# Altium PCB roach2.PcbDoc (part 1 of 39)
Units mil, origin at the board's own origin, x right, y up, seen from the top; angles counter-clockwise.
Board outline 12007.87 x 9606.3 mil, 16 copper layers (L1_TOP, L2_G, L3_S, L4_G, L5_S, L6_P, L7_G, L8_R, L9_R, L10_P, L11_P, L12_S, L13_P, L14_S, L15_G, L16_BOT), stack 81.651 mil thick; 1608 components, 1934 nets, 9335 pads, 6759 vias.
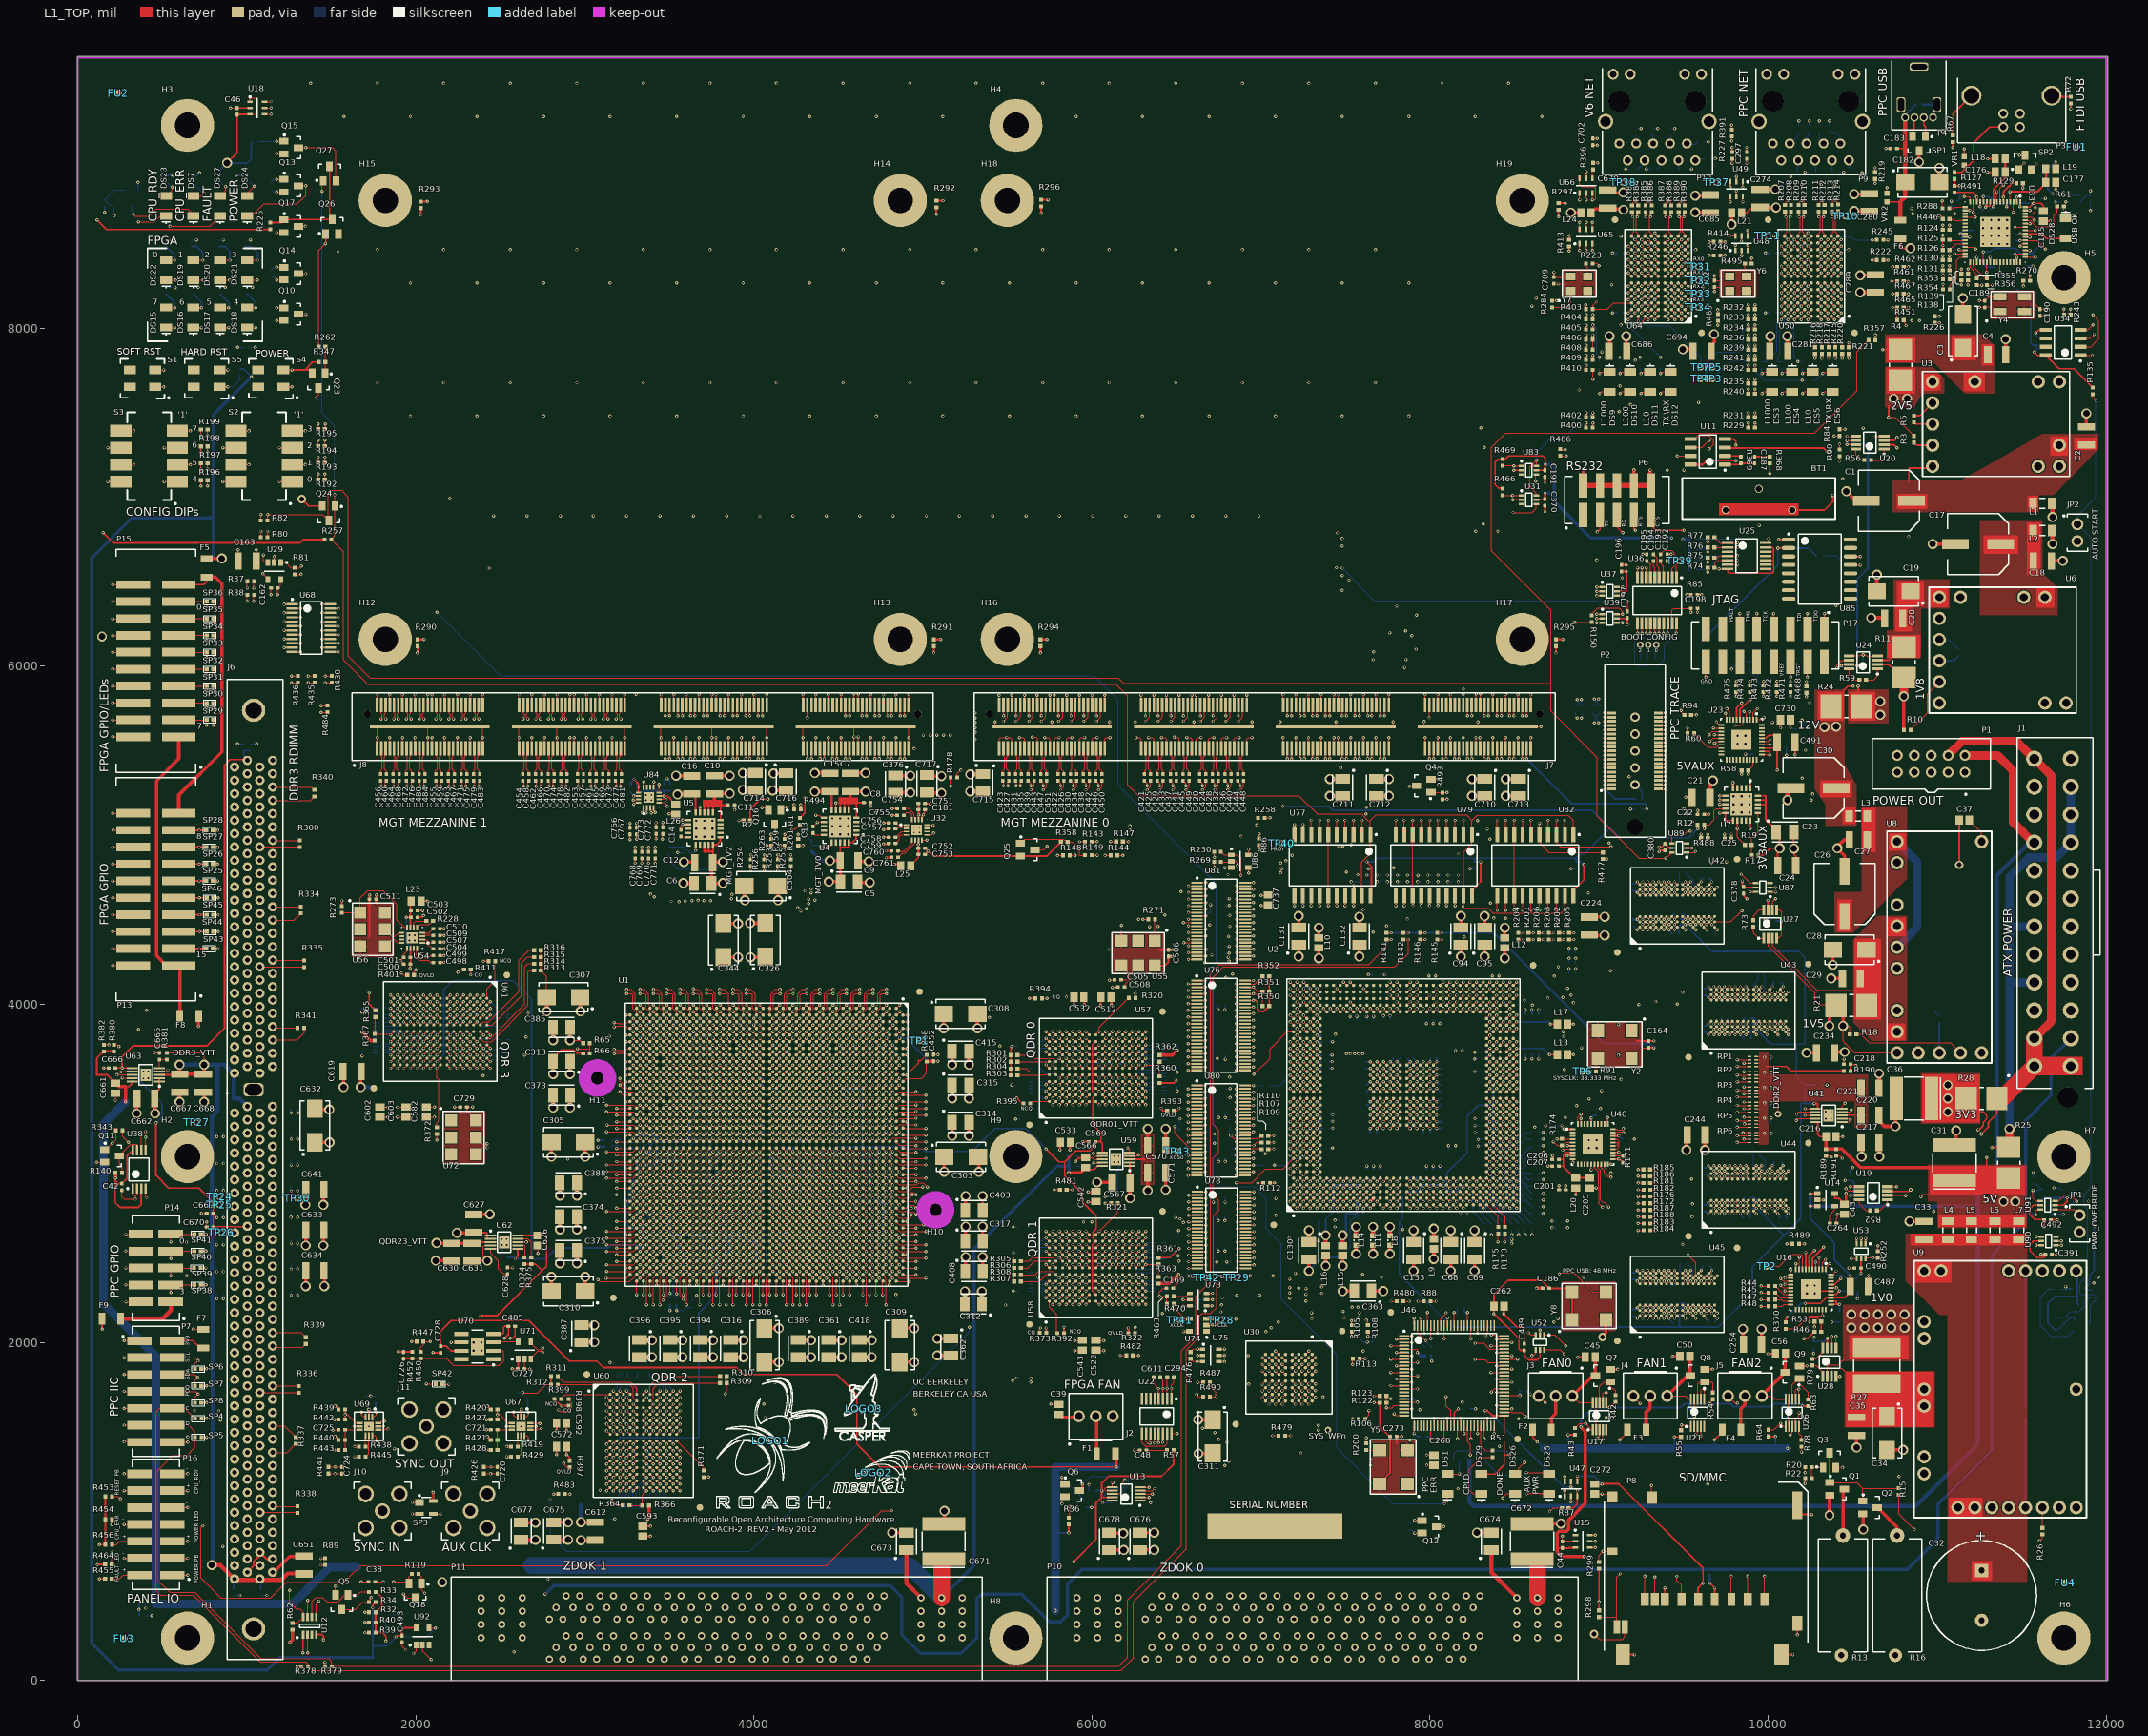
[diagram p0: L1_TOP view]
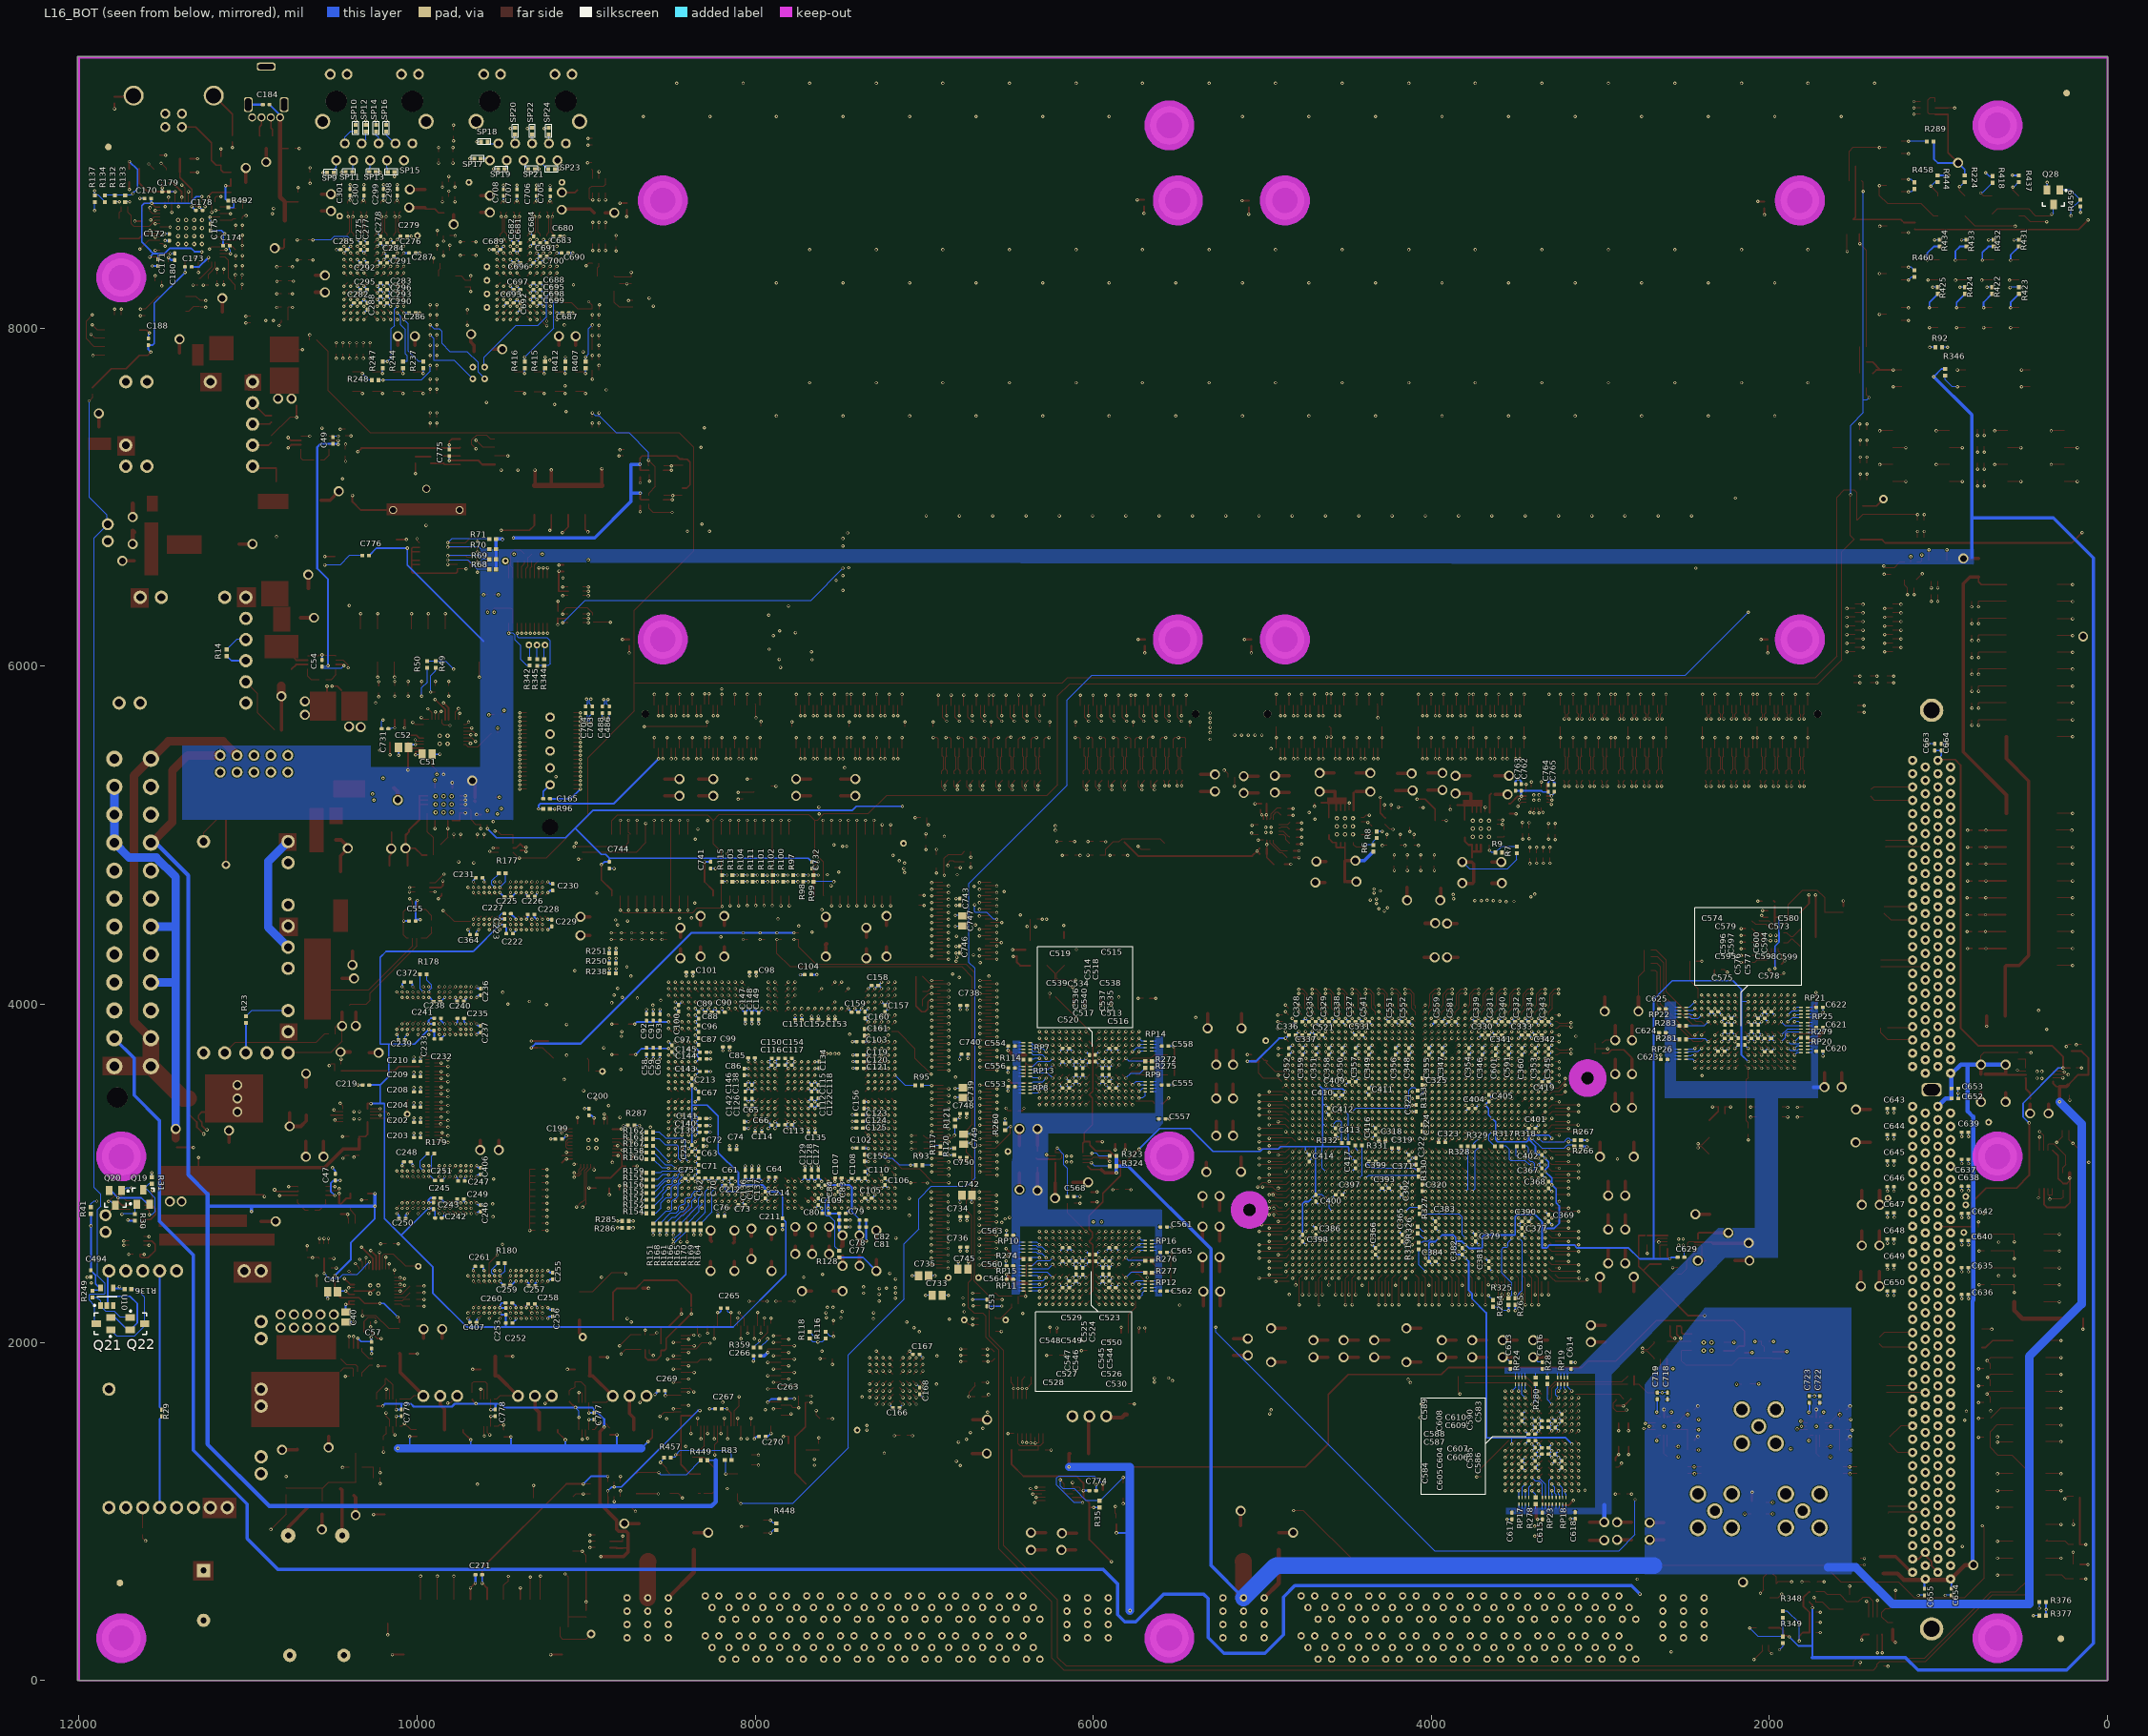
[diagram p1: L16_BOT view, seen from below]
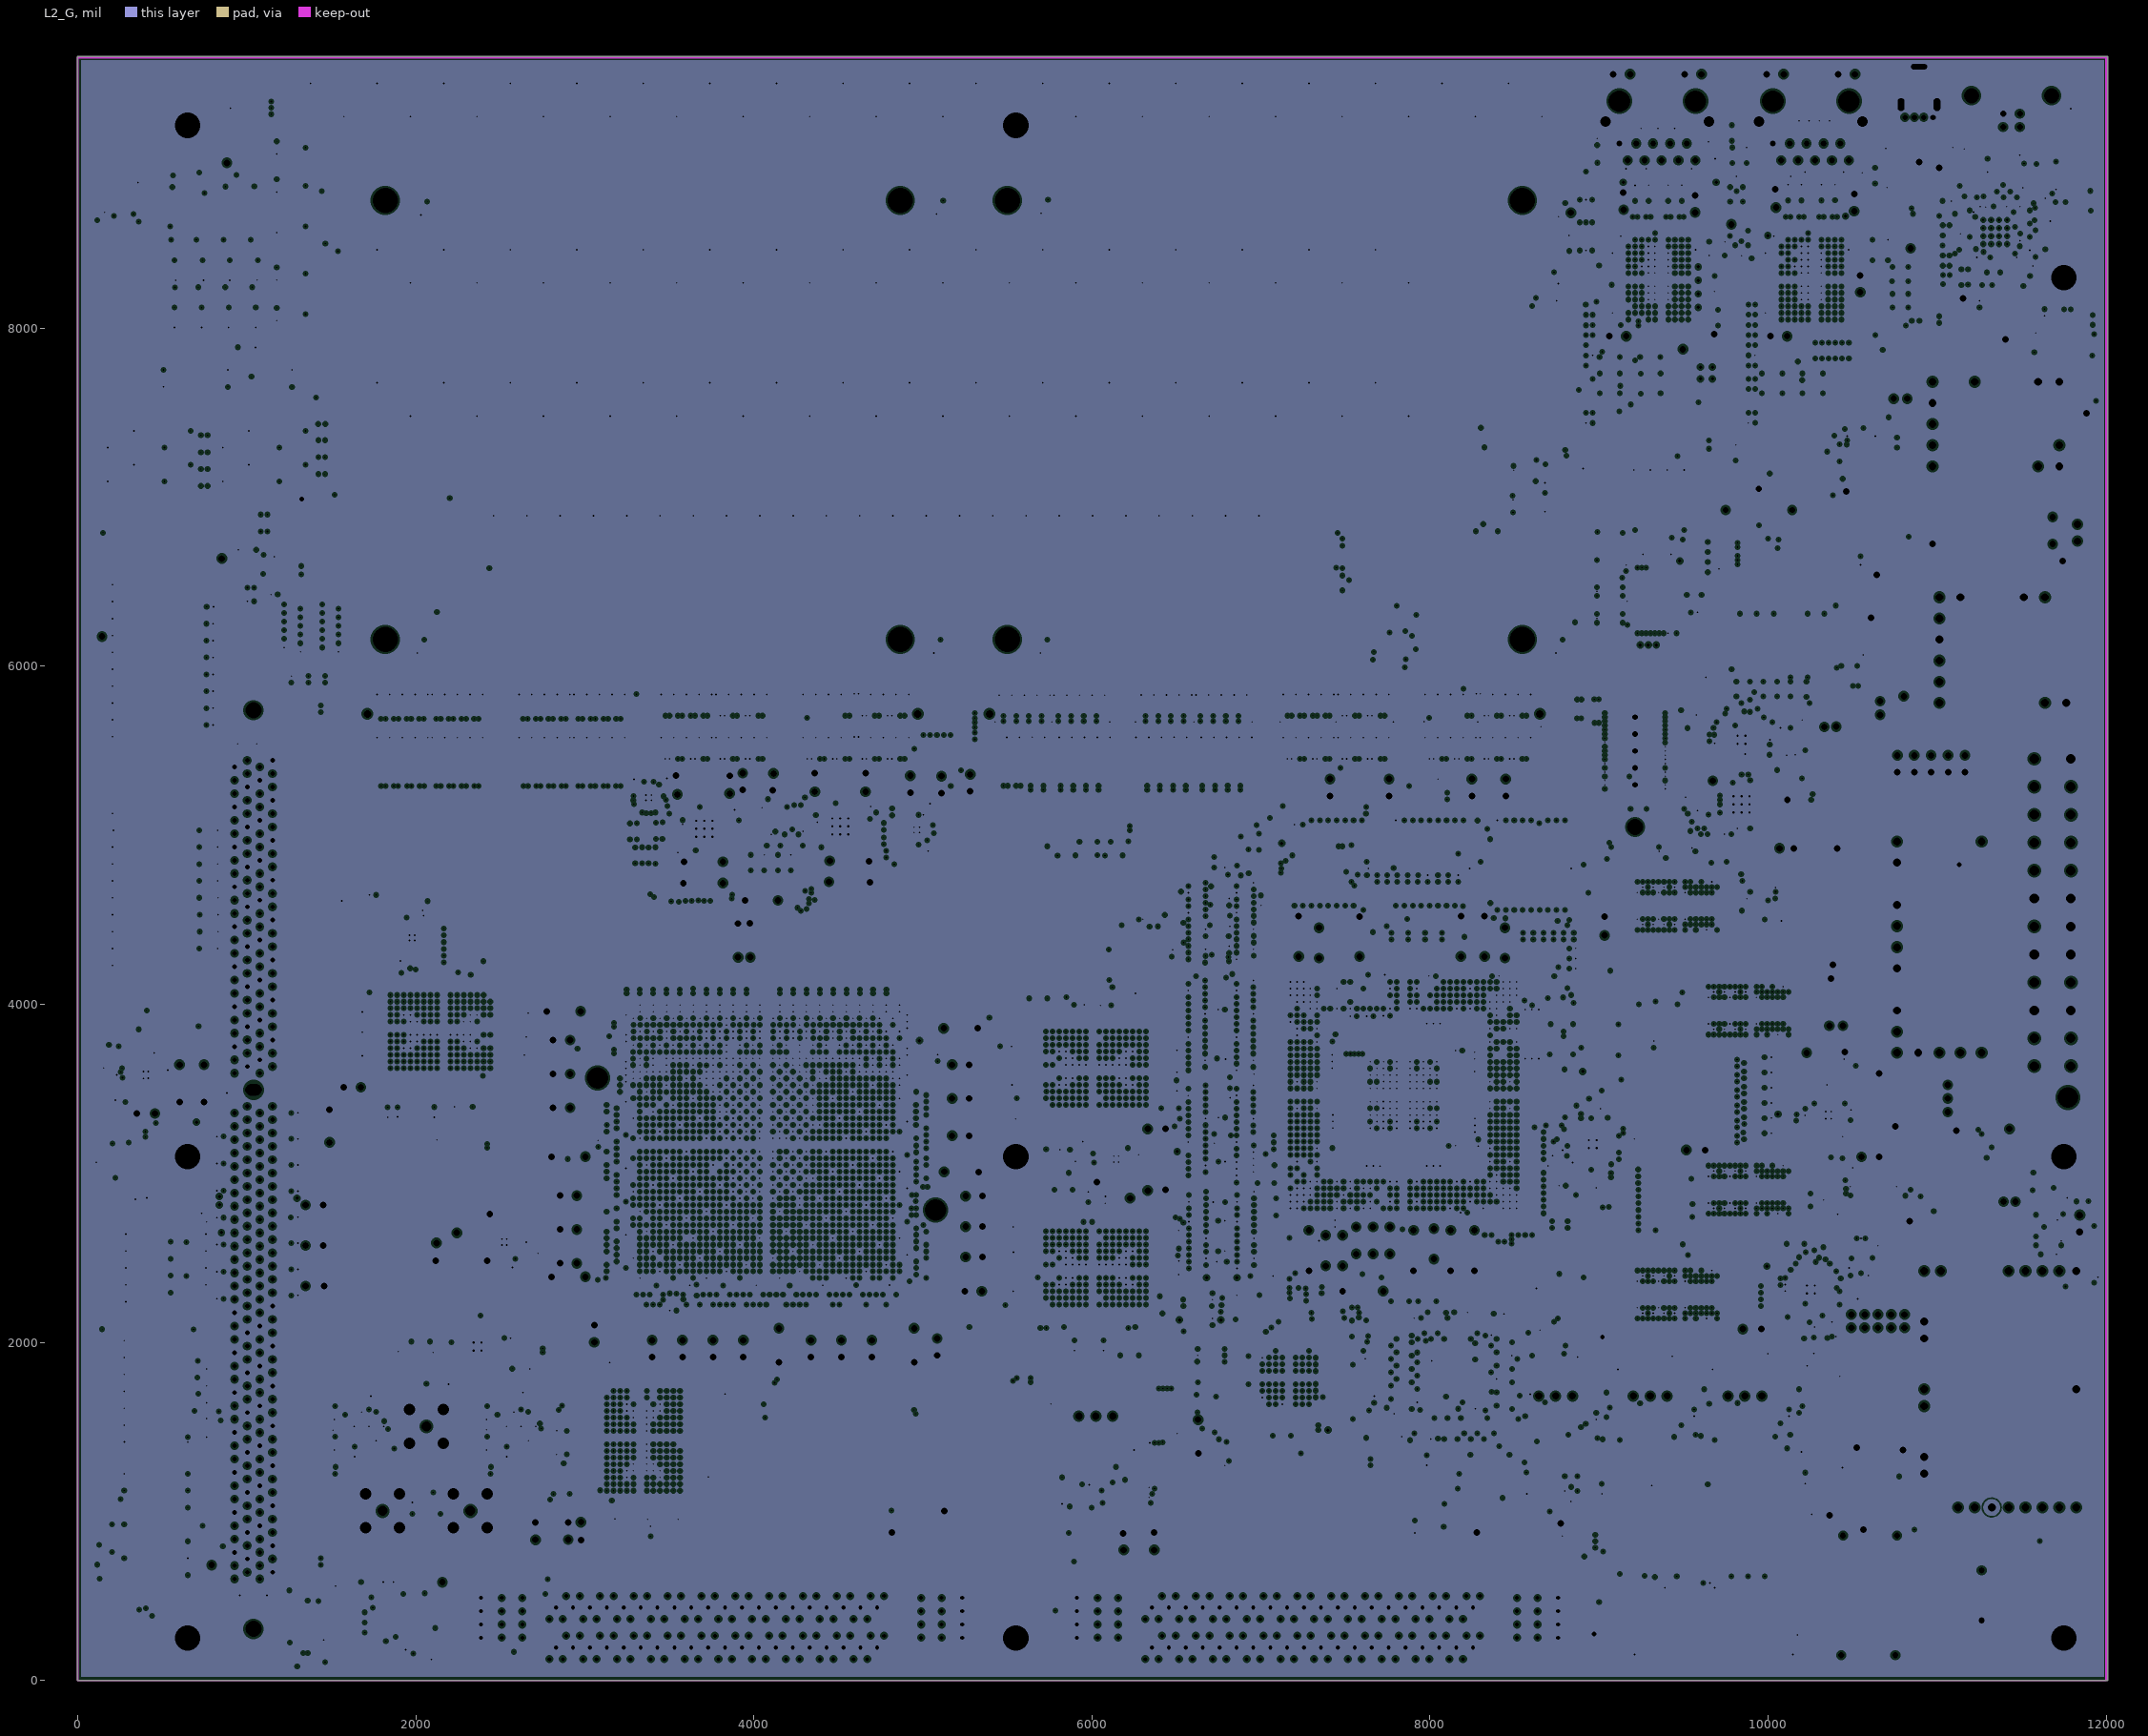
[diagram p2: L2_G, clearances drawn from the general rule]
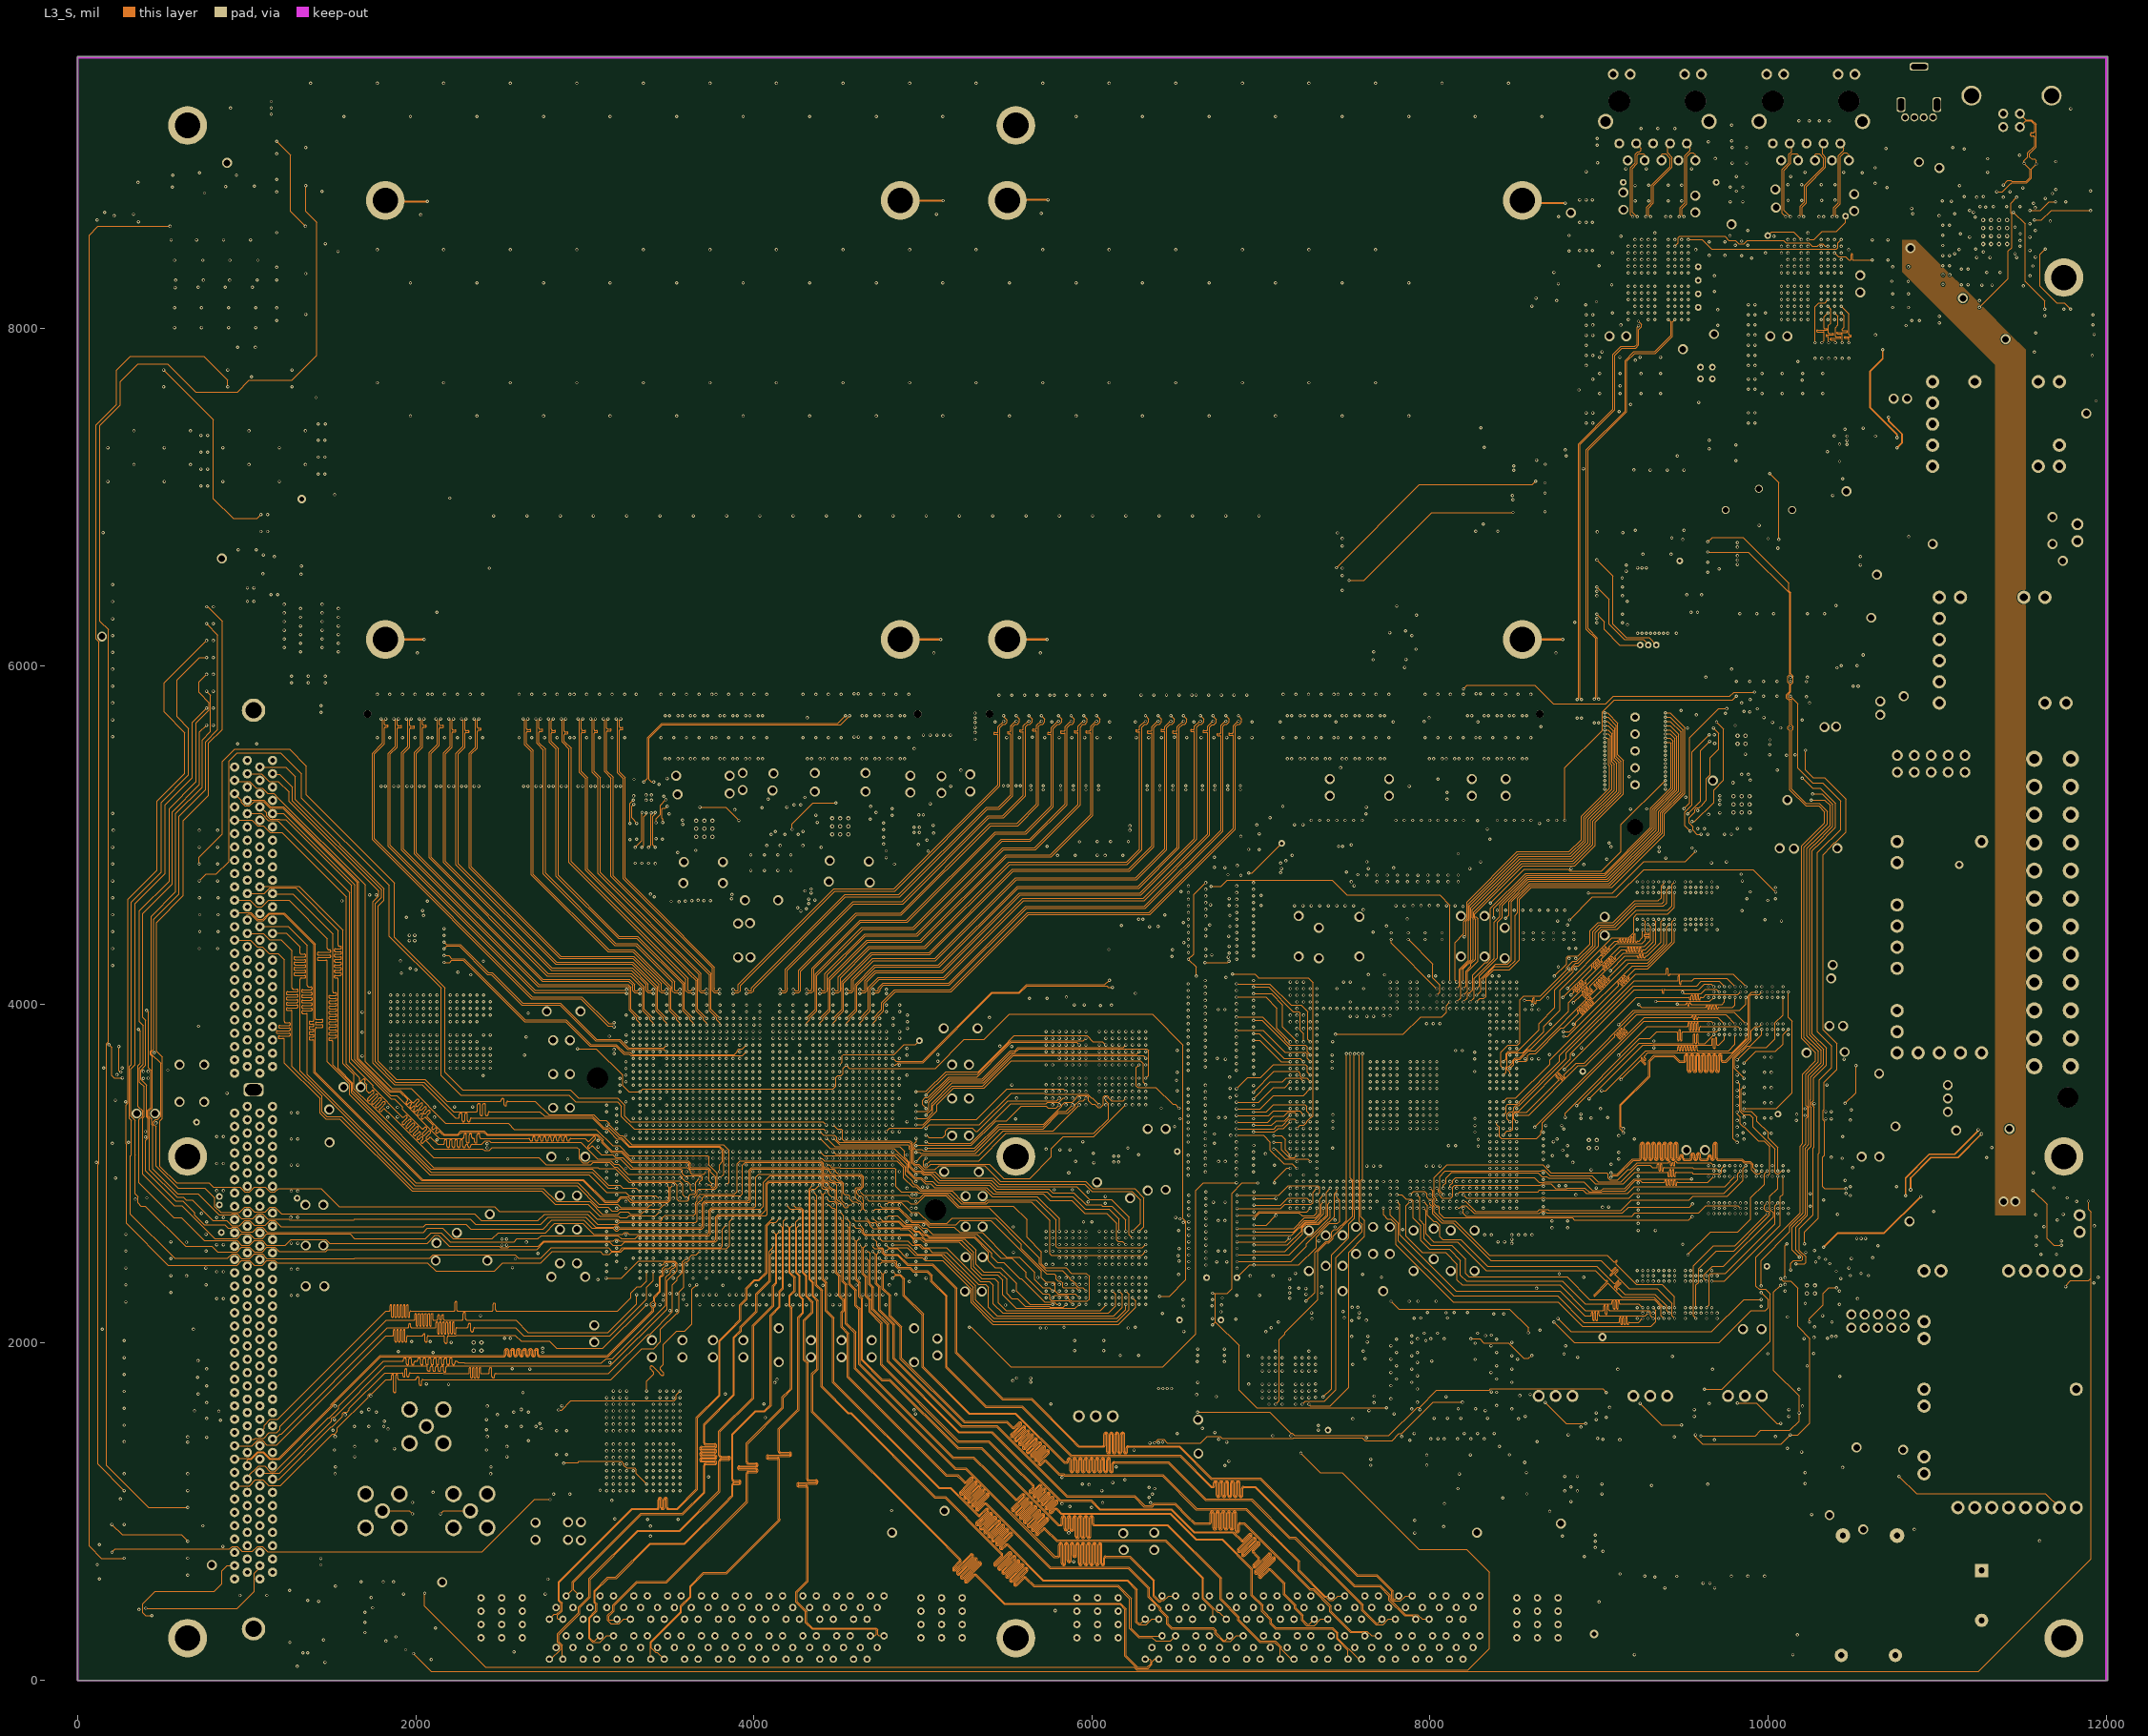
[diagram p3: L3_S]